# Altium PCB board.PcbDoc (part 1 of 2)
Units mm, origin at the board's own origin, x right, y up, seen from the top; angles counter-clockwise.
Board outline 58 x 79 mm, 2 copper layers (Top Layer, Bottom Layer), stack 0.97 mm thick; 229 components, 199 nets, 681 pads, 81 vias.
Unrouted connection lines stored in the file: 8.
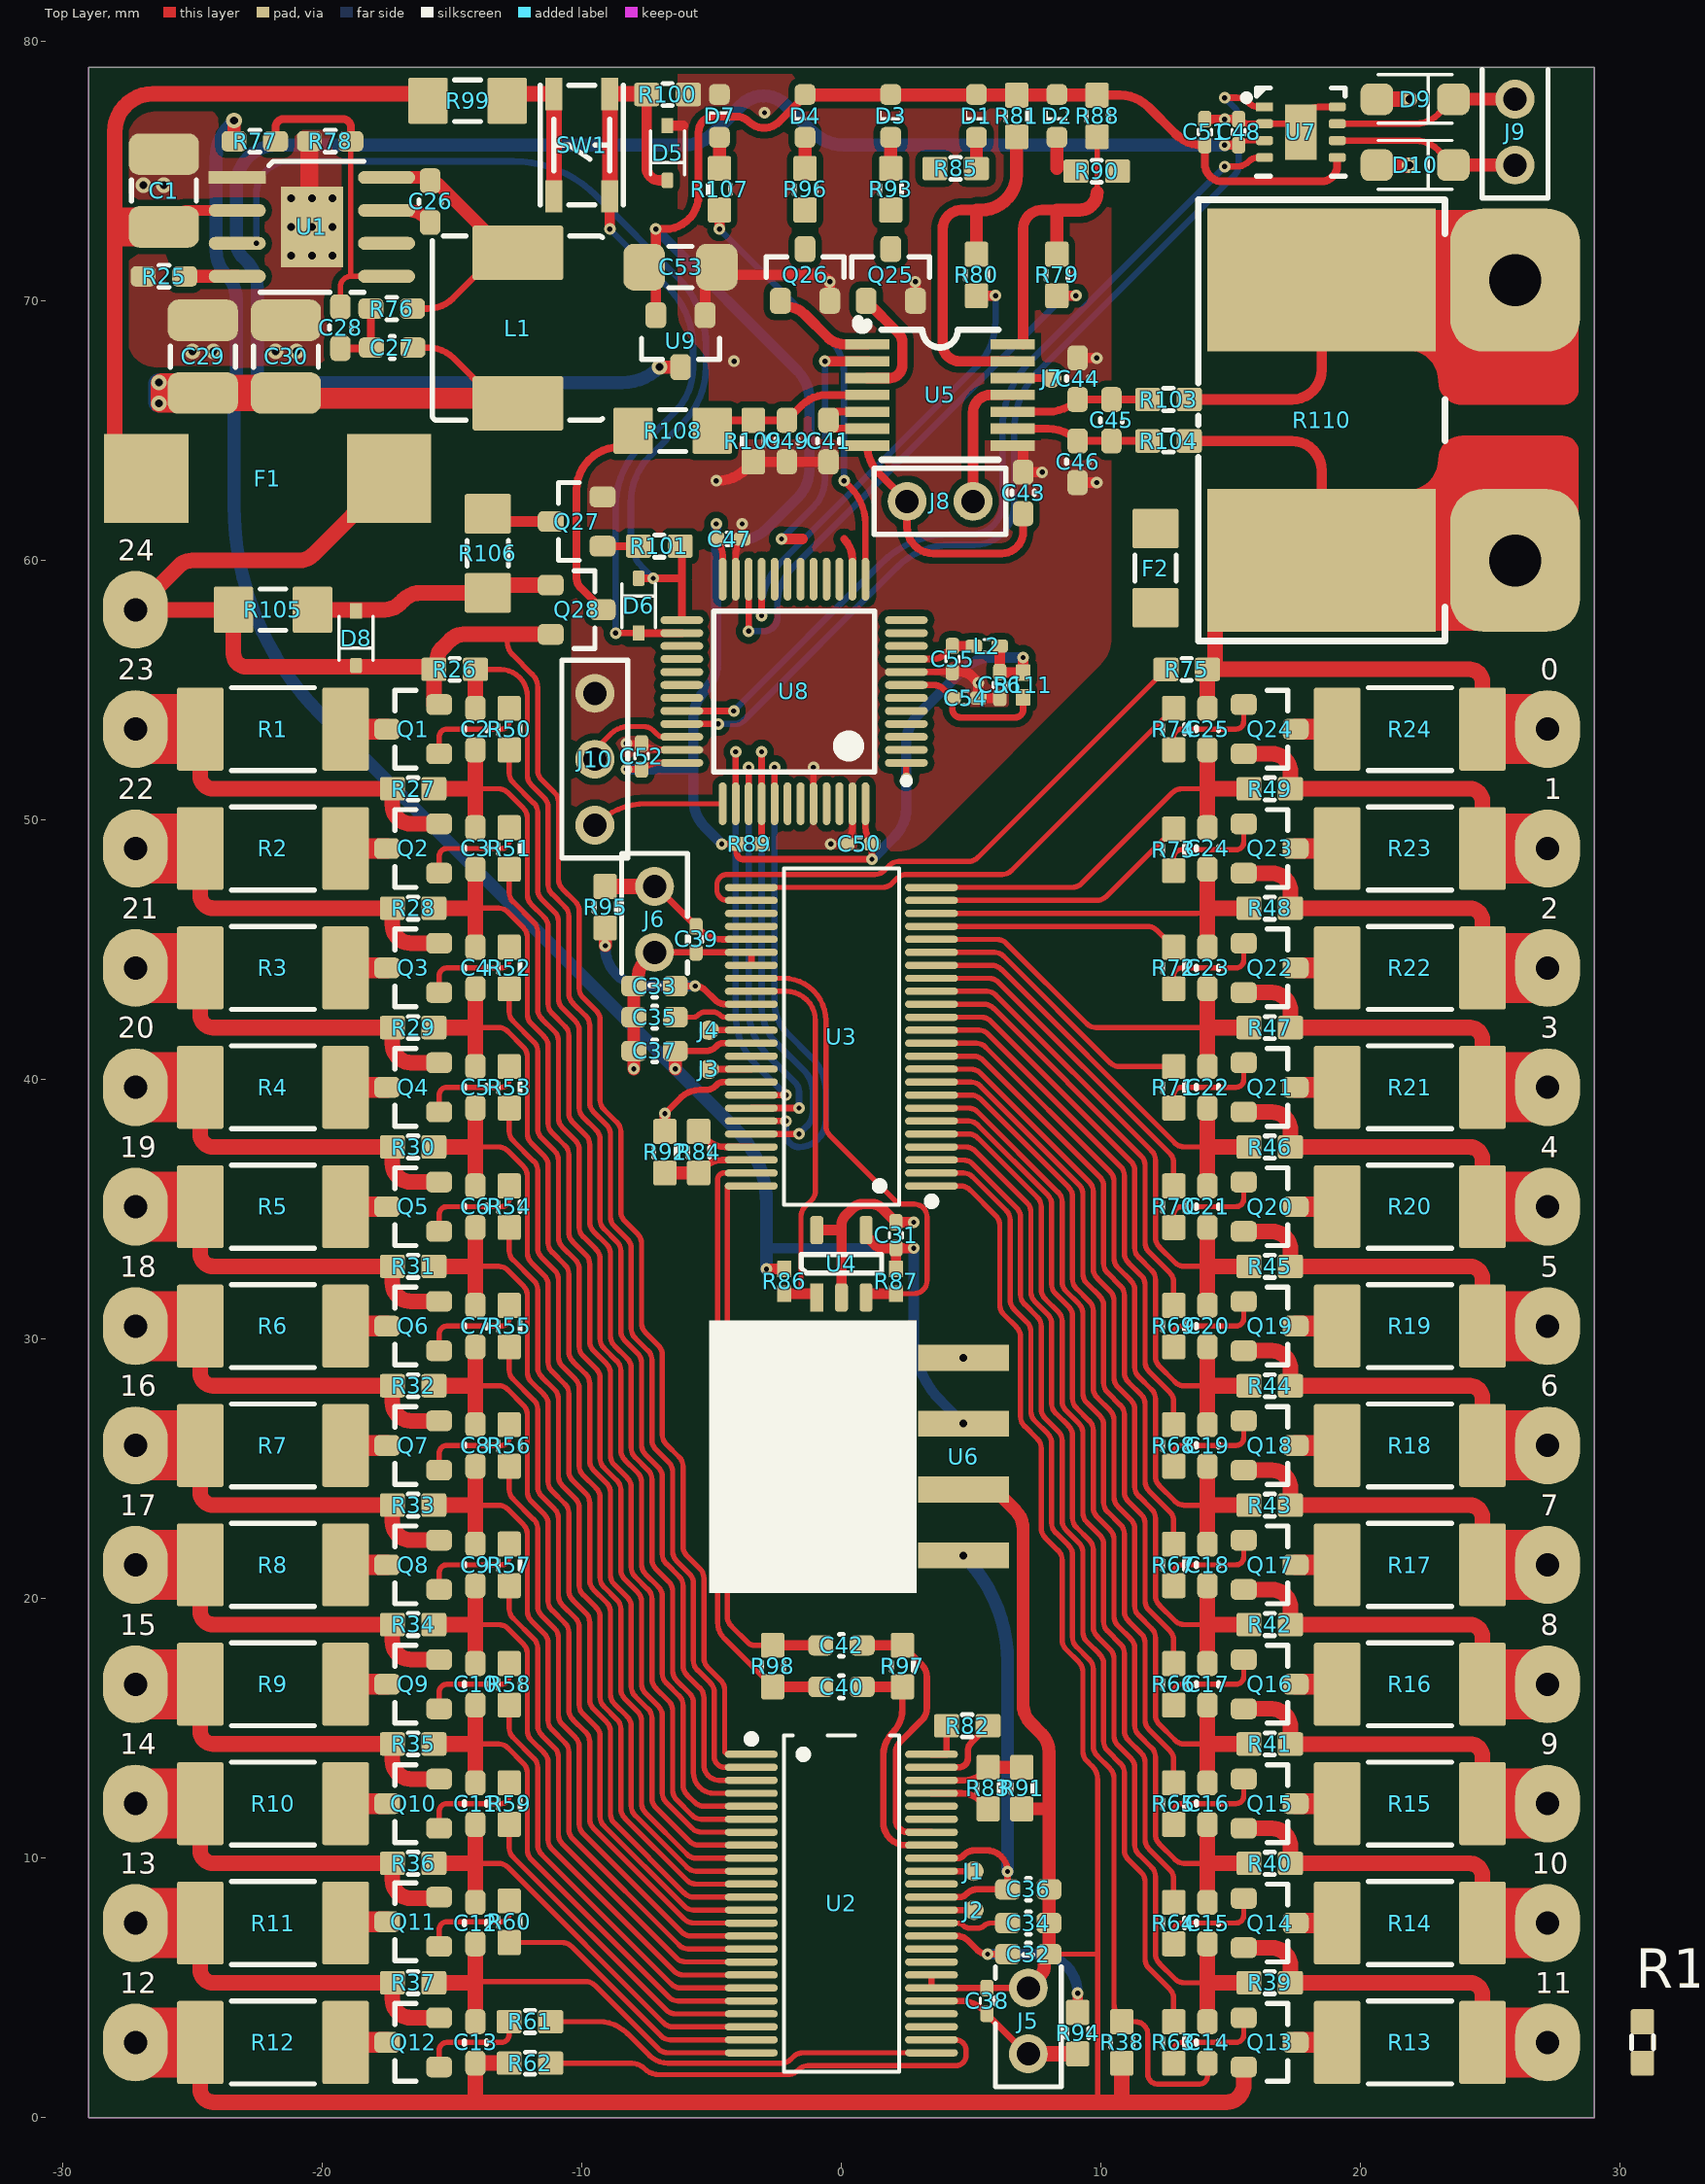
[diagram p0: Top Layer view]
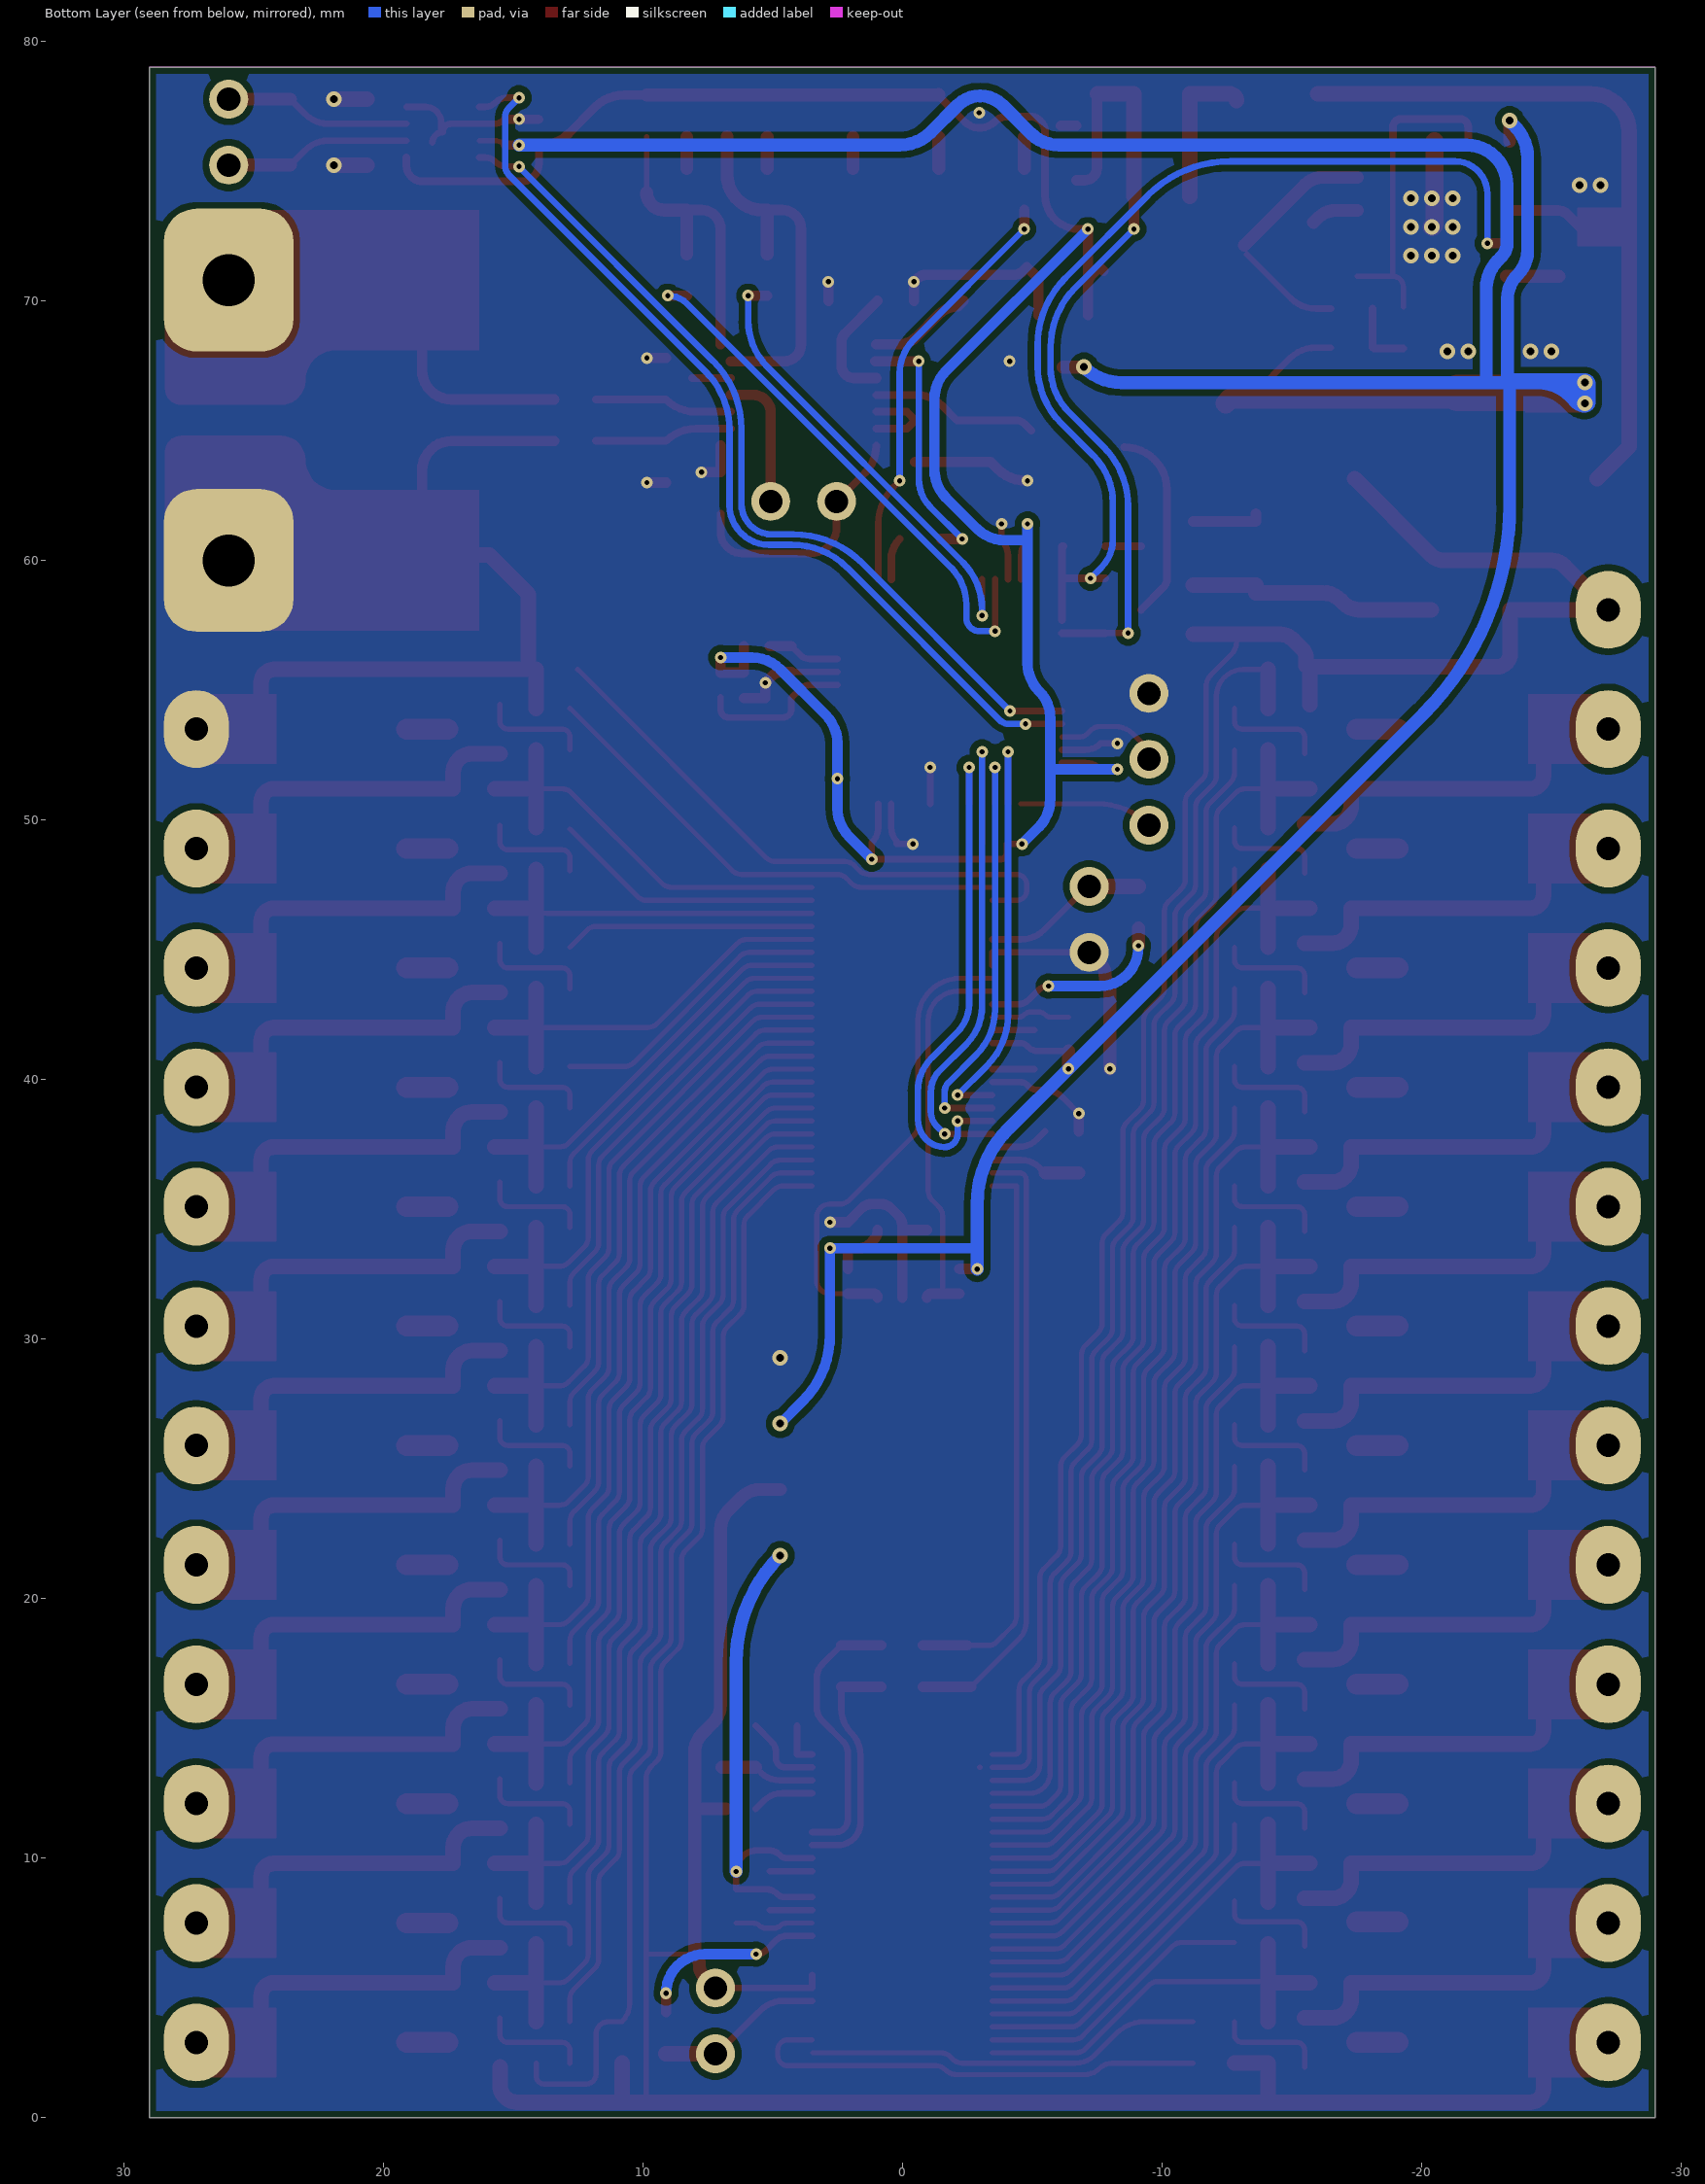
[diagram p1: Bottom Layer view, seen from below]
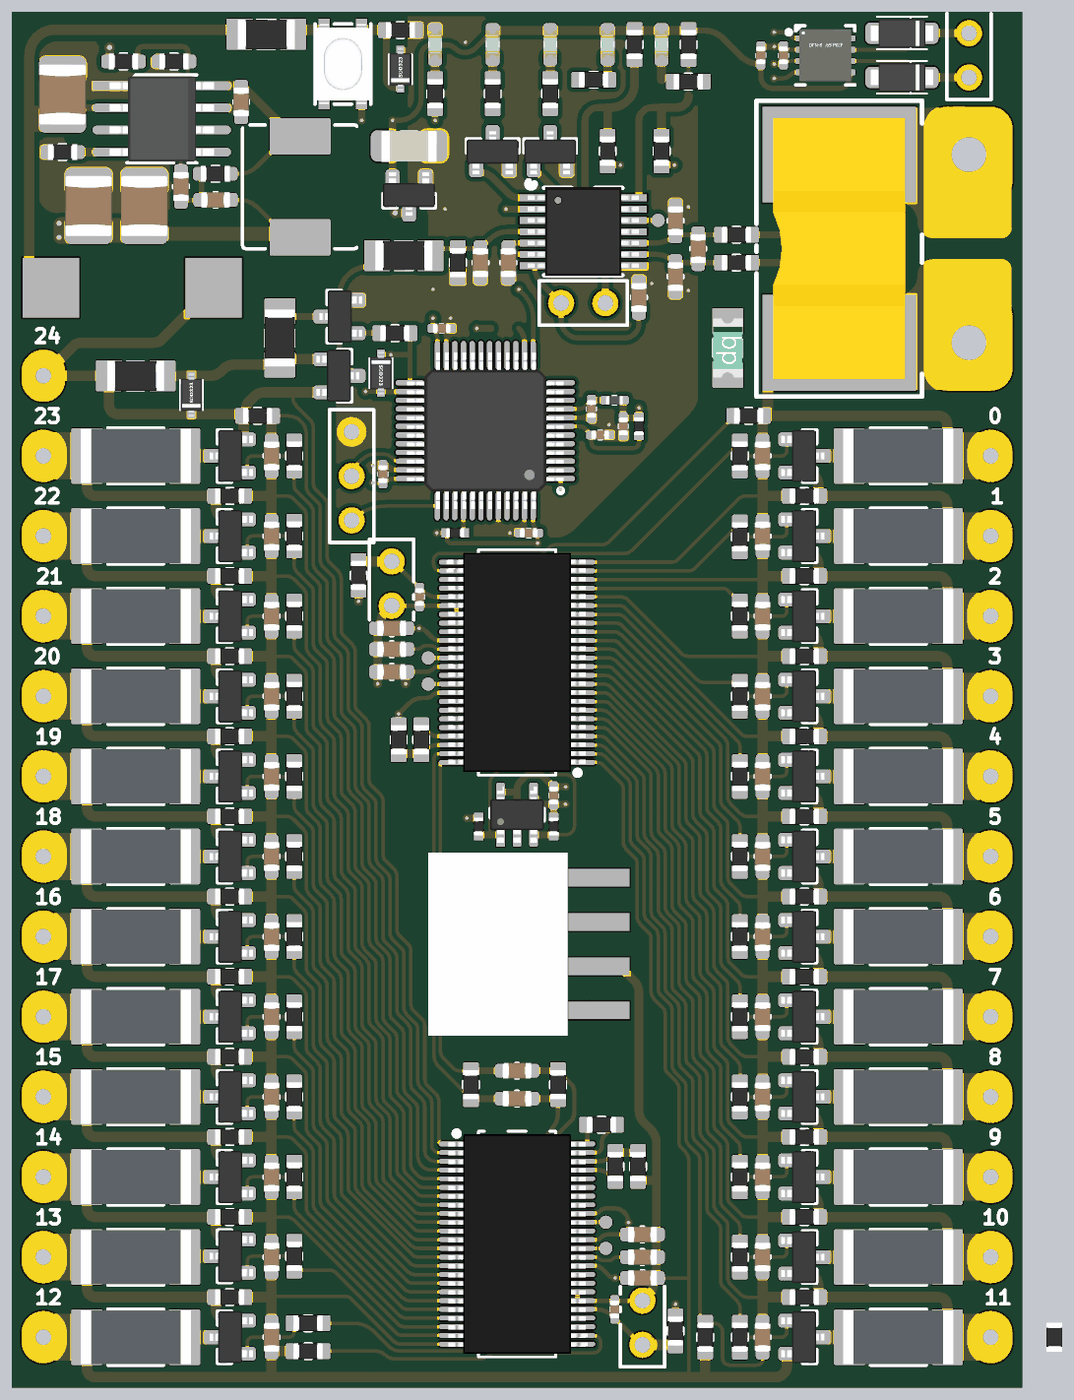
[diagram p3: 3D render of the assembled board from above, using the file's embedded part models]

## Layer stack, top to bottom
Top Solder: solder mask 0.0127, Solder Resist, Dk 3.8
Top Layer: signal copper 0.035
Dielectric: core 0.9, FR-4, Dk 4.5
Bottom Layer: signal copper 0.035
Bottom Solder: solder mask 0.0127, Solder Resist, Dk 3.8

## Board outline
-29,0 29,0 29,79 -29,79

## Design rules (kind name [scope] priority, off if disabled: settings)
AcuteAngle [All] p1: minimum=6.00000000000000E+0001 checktracksonly=FALSE
Clearance Clearance_1 [All] p1: gap=0.25 ignorepadtopadclearanceinfootprint=FALSE except(0.13: Arc-Arc Arc-Track Arc-SMDPad Arc-Via Track-Track Track-SMDPad Track-Via SMDPad-SMDPad SMDPad-Via THPad-Via Via-Via; 0.15: Arc-THPad Arc-Text Arc-Hole Track-THPad Track-Text Track-Hole SMDPad-THPad SMDPad-Text SMDPad-Hole THPad-THPad THPad-Text THPad-Hole Via-Text Via-Hole Fill-Text Fill-Hole Poly-Text Poly-Hole Region-Text Region-Hole Text-Text Text-Hole)
ComponentClearance ComponentClearance_1 [HasFootprint('HDR-1X2')] p1: gap=-1 collisioncheckmode=3 verticalgap=2540 showdistances=FALSE
ComponentClearance ComponentClearance_3 [HasFootprint('TP30_SMD')] p2: gap=-1 collisioncheckmode=3 verticalgap=2540 showdistances=FALSE
ComponentClearance ComponentClearance_4 [HasFootprint('HDR-1X3')] p3: gap=-1 collisioncheckmode=3 verticalgap=2540 showdistances=FALSE
ComponentClearance ComponentClearance_2 [HasFootprint('CONN_DG308-2.54-2P') vs HasFootprint('CONN_DG308-2.54-2P')] p4: gap=-1 collisioncheckmode=3 verticalgap=2540 showdistances=FALSE
ComponentClearance [All] p5: gap=0.3 collisioncheckmode=3 verticalgap=0.254 showdistances=FALSE
HoleSize [All] p1: absolutevalues=TRUE maxlimit=6 minlimit=0.2 maxpercent=80.000 minpercent=20.000
HoleToHoleClearance HoleToHoleClearance_1 [IsVia vs IsThruPin] p1: gap=0.7 allowstackedmicrovias=TRUE
HoleToHoleClearance [All] p2: gap=0.5 allowstackedmicrovias=TRUE
MinimumSolderMaskSliver [All] p1 off: minsoldermaskwidth=0.254
PlaneClearance [All] p1: clearance=0.45
PlaneConnect [All] p1: planeconnectstyle=Direct reliefexpansion=0.3 reliefentries=4 reliefconductorwidth=0.381 reliefairgap=0.178
PolygonConnect [All] p1: connectstyle=Direct reliefconductorwidth=0.381 reliefentries=4 polygonreliefangle="90 Angle" airgapwidth=0.356
RoutingVias [All] p1: holewidth=0.3 width=0.6 viastyle="Through Hole" minholewidth=0.2 minwidth=0.45 maxholewidth=0.9 maxwidth=1.27
SilkToSilkClearance [All] p1 off: silktosilkclearance=0.254
SilkToSolderMaskClearance [IsPad] p1 off: minsilkscreentomaskgap=0.254 clearancetoexposedcopper=TRUE
SolderMaskExpansion [All] p1: expansion=0.102 istentingtop=FALSE
SupplyNets "Schematic Supply Nets_8" [InNet('C1')] p1: voltage=0.000
SupplyNets "Schematic Supply Nets_7" [InNet('Vb+_fuse')] p2: voltage=0.000
SupplyNets "Schematic Supply Nets_6" [InNet('3V3')] p3: voltage=0.000
SupplyNets "Schematic Supply Nets_5" [InNet('Vreg')] p4: voltage=0.000
SupplyNets "Schematic Supply Nets_4" [InNet('GND')] p5: voltage=0.000
SupplyNets "Schematic Supply Nets_3" [InNet('Vb+')] p6: voltage=0.000
SupplyNets "Schematic Supply Nets_2" [InNet('5V')] p7: voltage=0.000
SupplyNets "Schematic Supply Nets_1" [InNet('5V_ISOL')] p8: voltage=0.000
SupplyNets "Schematic Supply Nets" [InNet('MGND')] p9: voltage=0.000
UnRoutedNet [All] p1: checkbadconnections=TRUE
Width [All] p1: maxlimit=3.81 minlimit=0.14 preferedwidth=0.254
21 further rules are at their usual default settings.

## Components (designator, comment, footprint, x,y, rotation, side; value= is the part's Value field where it differs from the comment)
C1 "2u2" C1210 -26.1,74.25 r270 top
C2 "10nF" C0603 -14.1,53.5 r90 top
C3 "10nF" C0603 -14.1,48.9 r90 top
C4 "10nF" C0603 -14.1,44.3 r90 top
C5 "10nF" C0603 -14.1,39.7 r90 top
C6 "10nF" C0603 -14.1,35.1 r90 top
C7 "10nF" C0603 -14.1,30.5 r90 top
C8 "10nF" C0603 -14.1,25.9 r90 top
C9 "10nF" C0603 -14.1,21.3 r90 top
C10 "10nF" C0603 -14.1,16.7 r90 top
C11 "10nF" C0603 -14.1,12.1 r90 top
C12 "10nF" C0603 -14.1,7.5 r90 top
C13 "10nF" C0603 -14.1,2.9 r90 top
C14 "10nF" C0603 14.1,2.9 r270 top
C15 "10nF" C0603 14.1,7.5 r270 top
C16 "10nF" C0603 14.1,12.1 r270 top
C17 "10nF" C0603 14.1,16.7 r270 top
C18 "10nF" C0603 14.1,21.3 r270 top
C19 "10nF" C0603 14.1,25.9 r270 top
C20 "10nF" C0603 14.1,30.5 r270 top
C21 "10nF" C0603 14.1,35.1 r270 top
C22 "10nF" C0603 14.1,39.7 r270 top
C23 "10nF" C0603 14.1,44.3 r270 top
C24 "10nF" C0603 14.1,48.9 r270 top
C25 "10nF" C0603 14.1,53.5 r270 top
C26 "2.2nF" C0603 -15.844,73.825 r90 top
C27 "22n" C0603 -17.309,68.2 r0 top
C28 "56pF" C0603 -19.3,68.969 r270 top
C29 "22u" C1210 -24.6,67.85 r270 top
C30 "22u" C1210 -21.4,67.85 r270 top
C31 "100nF" C0402 2.1,34 r270 top
C32 "1uF" C0603 7.2,6.3 r180 top
C33 "1uF" C0603 -7.2,43.6 r0 top
C34 "1uF" C0603 7.2,7.5 r180 top
C35 "1uF" C0603 -7.2,42.4 r0 top
C36 "1uF" C0603 7.2,8.8 r180 top
C37 "1uF" C0603 -7.2,41.1 r0 top
C38 "100nF" C0402 5.6,4.5 r270 top
C39 "100nF" C0402 -5.6,45.4 r90 top
C40 "10nF" C0603 0,16.6 r0 top
C41 "100nF" C0603 -0.5,64.6 r90 top
C42 "10nF" C0603 0,18.2 r0 top
C43 "1uF" C0603 7,62.6 r270 top
C44 "100nF" C0603 9.1,67 r270 top
C45 "100nF" C0603 10.4,65.4 r90 top
C46 "100nF" C0603 9.1,63.8 r90 top
C47 "100nF" C0402 -4.325,60.825 r180 top
C48 "100nF" C0402 15.3,76.5 r270 top
C49 "3n3" C0603 -2.1,64.6 r270 top
C50 "100nF" C0402 0.675,49.075 r0 top
C51 "100nF" C0402 14,76.5 r270 top
C52 "100nF" C0402 -7.7,52.45 r270 top
C53 "10uF" C1206 -6.2,71.3 r180 top
C54 "100nF" C0402 4.775,54.7 r180 top
C55 "100nF" C0402 4.275,56.2 r90 top
C56 "100nF" C0402 6.099,55.2 r90 top
D1 "GRN" LED-0603-GRN 5.2,77.125 r90 top
D2 "GRN" LED-0603-GRN 8.3,77.125 r90 top
D3 "GRN" LED-0603-GRN 1.9,77.125 r90 top
D4 "GRN" LED-0603-GRN -1.4,77.125 r90 top
D5 "3V3" SOD-323 -6.7,75.7 r90 top
D6 "1N4148WS" SOD-323 -7.815,58.255 r270 top
D7 "GRN" LED-0603-GRN -4.7,77.125 r270 top
D8 "15V" SOD-323 -18.7,57 r90 top
D9 "24V" SOD-123FL 22.1,77.77 r0 top
D10 "24V" SOD-123FL 22.1,75.23 r0 top
F1 "2A" FUSE_2A_600V -22.1,62.9 r180 top
F2 "200mA" FUSE-1206 12.1,59.7 r270 top
J1 "" TP30_SMD 5.1,9.5 r90 top
J2 "" TP30_SMD 5.1,8 r90 top
J3 "" TP30_SMD -5.1,40.4 r90 top
J4 "" TP30_SMD -5.1,41.9 r90 top
J5 "NTC" HDR-1X2 7.2,3.73 r180 top
J6 "NTC" HDR-1X2 -7.2,46.17 r0 top
J7 "" TP30_SMD 8.1,67.025 r180 top
J8 "NTC" HDR-1X2 3.8,62.275 r90 top
J9 "CAN" HDR-1X2 25.95,76.5 r0 top
J10 "SWD" HDR-1X3 -9.5,52.34 r180 top
L1 "68uH" L0605-POWER -12.46,68.95 r90 top
L2 "BEAD" L0402 5.599,56.7 r180 top
Q1 "BSS308PE-VB" SOT-23 -16.5,53.5 r0 top
Q2 "BSS308PE-VB" SOT-23 -16.5,48.9 r0 top
Q3 "BSS308PE-VB" SOT-23 -16.5,44.3 r0 top
Q4 "BSS308PE-VB" SOT-23 -16.5,39.7 r0 top
Q5 "BSS308PE-VB" SOT-23 -16.5,35.1 r0 top
Q6 "BSS308PE-VB" SOT-23 -16.5,30.5 r0 top
Q7 "BSS308PE-VB" SOT-23 -16.5,25.9 r0 top
Q8 "BSS308PE-VB" SOT-23 -16.5,21.3 r0 top
Q9 "BSS308PE-VB" SOT-23 -16.5,16.7 r0 top
Q10 "BSS308PE-VB" SOT-23 -16.5,12.1 r0 top
Q11 "BSS308PE-VB" SOT-23 -16.5,7.55 r0 top
Q12 "BSS308PE-VB" SOT-23 -16.5,2.9 r0 top
Q13 "BSS308PE-VB" SOT-23 16.5,2.9 r180 top
Q14 "BSS308PE-VB" SOT-23 16.5,7.5 r180 top
Q15 "BSS308PE-VB" SOT-23 16.5,12.1 r180 top
Q16 "BSS308PE-VB" SOT-23 16.5,16.7 r180 top
Q17 "BSS308PE-VB" SOT-23 16.5,21.3 r180 top
Q18 "BSS308PE-VB" SOT-23 16.5,25.9 r180 top
Q19 "BSS308PE-VB" SOT-23 16.5,30.5 r180 top
Q20 "BSS308PE-VB" SOT-23 16.5,35.1 r180 top
Q21 "BSS308PE-VB" SOT-23 16.5,39.7 r180 top
Q22 "BSS308PE-VB" SOT-23 16.5,44.3 r180 top
Q23 "BSS308PE-VB" SOT-23 16.5,48.9 r180 top
Q24 "BSS308PE-VB" SOT-23 16.5,53.5 r180 top
Q25 "2N7002" SOT-23 1.9,71 r270 top
Q26 "2N7002" SOT-23 -1.4,71 r270 top
Q27 "BSS123" SOT-23 -10.2,61.5 r0 top
Q28 "PJM10H01PSA" SOT-23 -10.2,58.1 r180 top
R1 "33" R2512 -21.9,53.5 r180 top
R2 "33" R2512 -21.9,48.9 r180 top
R3 "33" R2512 -21.9,44.3 r180 top
R4 "33" R2512 -21.9,39.7 r180 top
R5 "33" R2512 -21.9,35.1 r180 top
R6 "33" R2512 -21.9,30.5 r180 top
R7 "33" R2512 -21.9,25.9 r180 top
R8 "33" R2512 -21.9,21.3 r180 top
R9 "33" R2512 -21.9,16.7 r180 top
R10 "33" R2512 -21.9,12.1 r180 top
R11 "33" R2512 -21.9,7.5 r180 top
R12 "33" R2512 -21.9,2.9 r180 top
R13 "33" R2512 21.9,2.9 r0 top
R14 "33" R2512 21.9,7.5 r0 top
R15 "33" R2512 21.9,12.1 r0 top
R16 "33" R2512 21.9,16.7 r0 top
R17 "33" R2512 21.9,21.3 r0 top
R18 "33" R2512 21.9,25.9 r0 top
R19 "33" R2512 21.9,30.5 r0 top
R20 "33" R2512 21.9,35.1 r0 top
R21 "33" R2512 21.9,39.7 r0 top
R22 "33" R2512 21.9,44.3 r0 top
R23 "33" R2512 21.9,48.9 r0 top
R24 "33" R2512 21.9,53.5 r0 top
R25 "100k" R0603#1 -26.1,70.945 r180 top
R26 "100" R0603#2 -14.9,55.8 r0 top
R27 "100" R0603#2 -16.5,51.2 r0 top
R28 "100" R0603#2 -16.5,46.6 r0 top
R29 "100" R0603#2 -16.5,42 r0 top
R30 "100" R0603#2 -16.5,37.4 r0 top
R31 "100" R0603#2 -16.5,32.8 r0 top
R32 "100" R0603#2 -16.5,28.2 r0 top
R33 "100" R0603#2 -16.5,23.6 r0 top
R34 "100" R0603#2 -16.5,19 r0 top
R35 "100" R0603#2 -16.5,14.4 r0 top
R36 "100" R0603#2 -16.5,9.8 r0 top
R37 "100" R0603#2 -16.5,5.2 r0 top
R38 "100" R0603#2 10.8,2.9 r90 top
R39 "100" R0603#2 16.5,5.2 r180 top
R40 "100" R0603#2 16.5,9.8 r180 top
R41 "100" R0603#2 16.5,14.4 r180 top
R42 "100" R0603#2 16.5,19 r180 top
R43 "100" R0603#2 16.5,23.6 r180 top
R44 "100" R0603#2 16.5,28.2 r180 top
R45 "100" R0603#2 16.5,32.8 r180 top
R46 "100" R0603#2 16.5,37.4 r180 top
R47 "100" R0603#2 16.5,42 r180 top
R48 "100" R0603#2 16.5,46.6 r180 top
R49 "100" R0603#2 16.5,51.2 r180 top
R50 "3k3" R0603#2 -12.8,53.5 r270 top
R51 "3k3" R0603#2 -12.8,48.9 r270 top
R52 "3k3" R0603#2 -12.8,44.3 r270 top
R53 "3k3" R0603#2 -12.8,39.7 r270 top
R54 "3k3" R0603#2 -12.8,35.1 r270 top
R55 "3k3" R0603#2 -12.8,30.5 r270 top
R56 "3k3" R0603#2 -12.8,25.9 r270 top
R57 "3k3" R0603#2 -12.8,21.3 r270 top
R58 "3k3" R0603#2 -12.8,16.7 r270 top
R59 "3k3" R0603#2 -12.8,12.1 r270 top
R60 "3k3" R0603#2 -12.8,7.55 r270 top
R61 "3k3" R0603#2 -12,3.7 r0 top
R62 "100" R0603#2 -12,2.1 r0 top
R63 "3k3" R0603#2 12.8,2.9 r90 top
R64 "3k3" R0603#2 12.8,7.5 r90 top
R65 "3k3" R0603#2 12.8,12.1 r90 top
R66 "3k3" R0603#2 12.8,16.7 r90 top
R67 "3k3" R0603#2 12.8,21.3 r90 top
R68 "3k3" R0603#2 12.8,25.9 r90 top
R69 "3k3" R0603#2 12.8,30.5 r90 top
R70 "3k3" R0603#2 12.8,35.1 r90 top
R71 "3k3" R0603#2 12.8,39.7 r90 top
R72 "3k3" R0603#2 12.8,44.3 r90 top
R73 "3k3" R0603#2 12.8,48.85 r90 top
R74 "3k3" R0603#2 12.8,53.5 r90 top
R75 "100" R0603#2 13.3,55.8 r180 top
R76 "237k" R0603#1 -17.325,69.7 r180 top
R77 "18k" R0603#1 -22.6,76.15 r0 top
R78 "101k" R0603#1 -19.7,76.15 r180 top
R79 "100" R0603#2 8.3,71 r270 top
R80 "100" R0603#2 5.2,71 r270 top
R81 "2k2" R0603#2 6.75,77.125 r90 top
R82 "100" R0603#2 4.85,15.1 r180 top
R83 "3k" R0603#2 5.65,12.7 r270 top
R84 "3k" R0603#2 -5.5,37.2 r90 top
R85 "470" R0603#2 4.4,75.1 r0 top
R86 "22k" R0402 -2.2,32.224 r90 top
R87 "22k" R0402 2.1,32.224 r90 top
R88 "2k2" R0603#2 9.85,77.125 r90 top
R89 "4k7" R0402 -3.551,49.075 r0 top
R90 "470" R0603#2 9.836,74.994 r180 top
R91 "1k5" R0603#2 6.95,12.7 r90 top
R92 "1k5" R0603#2 -6.8,37.2 r270 top
R93 "470" R0603#2 1.9,74.3 r90 top
R94 "4k7" R0603#2 9.1,3.26 r270 top
R95 "4k7" R0603#2 -9.1,46.64 r90 top
R96 "470" R0603#2 -1.4,74.3 r90 top
R97 "100" R0603#2 2.35,17.4 r270 top
R98 "100" R0603#2 -2.65,17.4 r270 top
R99 "470k" R1206 -14.4,77.711 r0 top
R100 "18k" R0603#2 -6.7,77.95 r180 top
R101 "100" R0603#2 -7.014,60.55 r0 top
R102 "100" R0603#2 30.861,2.901 r90 top
R103 "100" R0603#2 12.6,66.2 r180 top
R104 "100" R0603#2 12.6,64.6 r180 top
R105 "1M" R1206 -21.9,58.1 r180 top
R106 "100k" R1206 -13.624,60.275 r270 top
R107 "470" R0603#2 -4.7,74.3 r270 top
R108 "470k" R1206 -6.5,65 r180 top
R109 "18k" R0603#2 -3.4,64.6 r90 top
R110 "1mR" R5930_SHUNT 18.5,65.4 r90 top
R111 "4k7" R0402 7,55.2 r270 top
SW1 "PTS810SJS250" BTN_PTS810 -10,76 r270 top
U1 "LM5164" PowerSOIC-8 -20.4,72.85 r270 top
U2 "LTC6811HG-1#3ZZTRPBF" SSOP-48_L12.8-W5.3-P0.50-LS7.8-BL 0,8.25 r270 top
U3 "LTC6811HG-1#3ZZTRPBF" SSOP-48_L12.8-W5.3-P0.50-LS7.8-BL 0,41.65 r90 top
U4 "ZD24C08A-STGMT" SOT-23-5 0,32.9 r270 top
U5 "BQ34Z100PWR-G1" TSSOP-14_L5.0-W4.4-P0.65-LS6.4-BL 3.8,66.375 r270 top
U6 "B0505S-1WS" B0505S-1WS 4.7,25.47 r90 top
U7 "SIT1042QTK/3" DFN8_3X3_P065 17.7,76.5 r0 top
U8 "STM32F103CBT6" LQFP-48 -1.825,54.95 r180 top
U9 "XC6206P332MR" SOT-23 -6.2,68.45 r90 top
